# Altium PCB BACKPMAN3Rev1.0.PcbDoc (part 3 of 4) (continued)
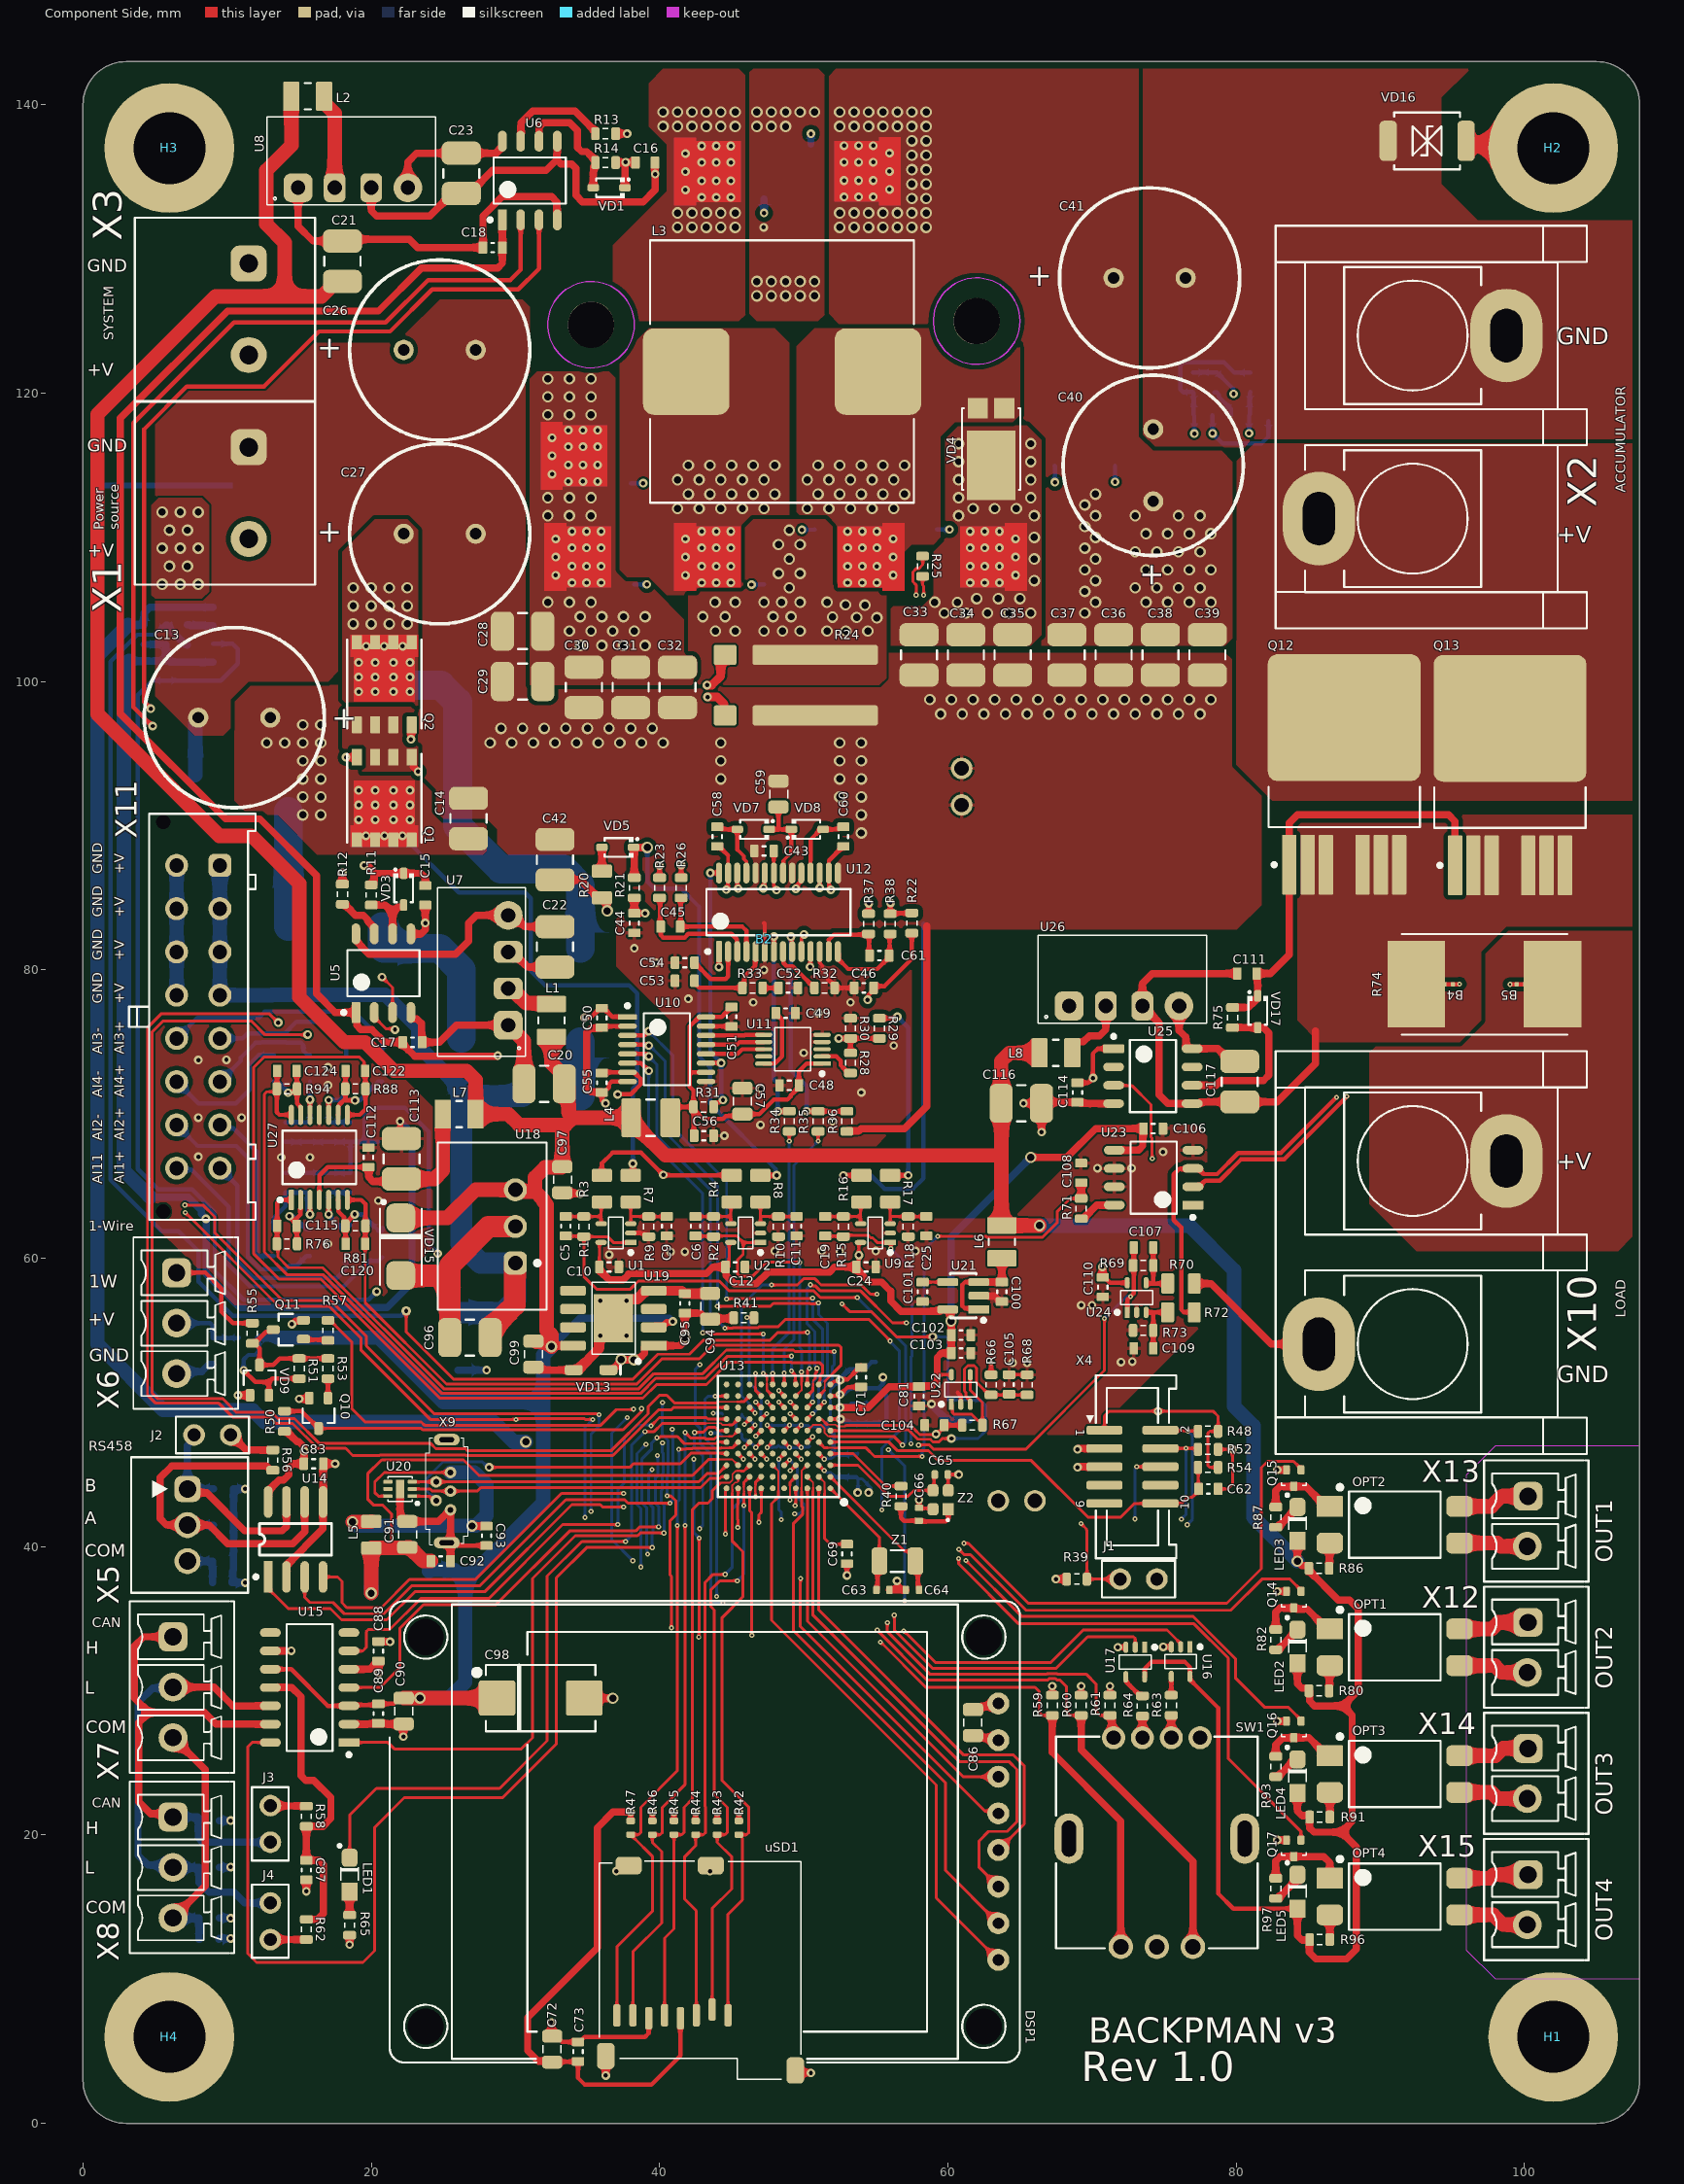
[diagram p0: Component Side view]
## Nets (pads, with @x,y where several pads share a name; then routed paths per layer and width w, separated by ;. In a path a pad name is that pad's centre, name@x,y a point inside that pad or via, vN(x,y) a via of type N, cw(c..) or ccw(c..) an arc to the next point about the centre after c; other vN are vias at no path point) (continued)
LDI+: B4.2 U23.2 | length 29.1
  Component Side w0.3: U23.2@77,64.96 77.425,64.96 77.851,65.386 78.865,65.386 80.332,66.853 83.287,66.853 83.312,66.878 83.347,66.878 87.681,71.212 v3(87.681,71.222) ; B4.2@95.05,79 95.479,79 v3(95.5,79.02)
  Layer 2 w0.3: v3(87.681,71.222) 92.837,71.222 94.942,73.327 97.028,75.413 97.028,77.492 v3(95.5,79.02)
LDI-: B5.2 R72.1 U23.3 | length 41.8
  Component Side w0.3: R72.1@77.1,56.25 77.089,56.261 76.378,56.261 76.188,56.451 76.188,62.141 75.667,62.662 75.667,65.811 76.048,66.192 76.962,66.192 U23.3@77,66.23 77.357,66.23 77.751,65.836 78.679,65.836 80.146,67.303 83.101,67.303 v3(86.969,71.171) ; v3(99,78.994) 99.006,79 B5.2@99.45,79
  Layer 2 w0.3: v3(86.969,71.171) 86.982,71.171 87.432,70.722 92.973,70.722 93.194,70.942 97.478,75.226 97.478,77.472 v3(99,78.994)
LED_GR: U13.A8 U16.2 | length 42.6
  Component Side w0.2: U13.A8@46.25,44.05 46.25,42.491 46.4,42.341 v3(46.4,33.85) ; v3(56.947,34.163) 59.131,31.979 67.158,31.979 69.393,34.214 75.211,34.214 76.15,33.275 U16.2@76.15,33.05
  Layer 2 w0.2: v3(46.4,33.85) 46.438,33.812 46.58,33.812 46.591,33.8 56.584,33.8 v3(56.947,34.163)
LED_RD: U13.J7 U17.2 | length 56.3
  Component Side w0.125: 46.634,51.06 46.634,51.081 46.659,51.107 v3(46.659,52.025)
  Component Side w0.2: 46.634,51.06 46.65,51.044 46.65,50.85 U13.J7@47.05,50.45 ; v3(56.286,35.255) 56.286,34.214 58.928,31.572 67.522,31.572 69.7,33.75 72.883,33.75 73,33.633 U17.2@73,33.025
  Layer 2 w0.2: v3(42.803,52.622) 43.371,52.054 46.631,52.054 v3(46.659,52.025) ; v3(44.399,36.093) 55.448,36.093 v3(56.286,35.255)
  Bottom Layer w0.2: v3(42.803,52.622) 42.494,52.314 42.494,48.531 42.825,48.2 42.825,47.142 43.567,46.399 43.567,36.317 43.82,36.065 44.371,36.065 v3(44.399,36.093)
LEDCAN0: LED1.2 U13.G9 | length 51.7
  Component Side w0.125: 43.192,48.55 43.245,48.55 43.256,48.561 44.247,48.561 44.358,48.45 44.856,48.45
  Component Side w0.2: LED1.2@18.5,18.425 18.5,21.387 20.354,23.241 28.905,23.241 32.207,26.543 32.207,37.957 34.611,40.361 v3(37.643,40.361) ; v3(38.989,47.983) 39.628,47.983 40.195,48.55 43.192,48.55 ; 44.856,48.45 45.05,48.45 U13.G9@45.45,48.85
  Bottom Layer w0.2: v3(37.643,40.361) 38.064,40.782 38.064,47.05 38.989,47.974 v3(38.989,47.983)
LOAD_I: C108.2 R71.2 U13.E2 | length 36
  Component Side w0.125: 51.66,46.866 51.681,46.866 51.697,46.85 52.375,46.85
  Component Side w0.2: U13.E2@51.05,47.25 51.45,46.85 51.644,46.85 51.66,46.866 ; 52.375,46.85 54.325,46.85 54.917,46.258 v3(58.218,46.258) ; v3(59.303,61.525) 62.651,61.525 62.706,61.47 66.581,61.47 67.578,62.467 67.578,63.228 68.5,64.15 R71.2@69.25,64.15
  Component Side w0.5: R71.2@69.25,64.15 C108.2@69.25,65.25
  Bottom Layer w0.2: v3(58.218,46.258) 58.218,46.733 58.369,46.884 58.369,48.485 58.344,48.51 58.344,60.566 v3(59.303,61.525)
LOAD_V: C107.1 R69.2 U13.H4 U24.1 | length 37.3
  Component Side w0.2: v3(49.075,50.025) U13.H4@49.45,49.65 ; v3(57.969,47.05) 58.731,47.05 59.031,46.75 65.394,46.75 70.866,52.222 v3(70.866,55.829)
  Component Side w0.3: U24.1@72.45,56.25 72.45,57.125 v3(72.675,57.35) 72.9,57.575 C107.1@72.9,60.75
  Layer 2 w0.2: v3(49.075,50.025) 50.434,48.666 51.257,48.666 51.664,48.26 53.76,48.26 54.25,48.75 56.66,48.75 57.931,47.479 57.931,47.088 v3(57.969,47.05)
  Bottom Layer w0.2: v3(70.866,55.829) 72.387,57.35 v3(72.675,57.35)
LSW_F: U13.H8 U25.3 | length 49.6
  Component Side w0.2: U13.H8@46.25,49.65 v3(46.625,49.275) ; v3(47.777,58.15) 49.565,58.15 49.99,58.575 50.785,58.575 51.21,58.15 53.993,58.15 54.638,57.506 v3(55.093,57.506) ; U25.3@71.5,72 71.512,71.987 72.763,71.987 74.1,70.65 74.1,68.395 74.175,68.32 v3(74.175,66.925)
  Layer 2 w0.2: v3(55.093,57.506) 55.528,57.941 55.528,58.353 55.925,58.75 66.775,58.75 74.175,66.15 v3(74.175,66.925)
  Bottom Layer w0.2: v3(46.625,49.275) 46.606,49.294 46.606,49.528 45.675,50.459 45.675,56.7 47.125,58.15 v3(47.777,58.15)
NetC5_2: C5.2 R1.1 R3.2 U1.4 | length 4
  Component Side w0.2: C5.2@33.5,62.9 R1.1@34.75,62.9 35.95,62.9 ; U1.4@35.95,62.4 35.95,62.9 ; R3.2@36,63.9 35.95,63.85 35.95,62.9
NetC6_2: C6.2 R2.1 R4.2 U2.4 | length 4
  Component Side w0.2: C6.2@42.5,62.9 R2.1@43.75,62.9 44.95,62.9 ; U2.4@44.95,62.4 44.95,62.9 ; R4.2@45,63.9 44.95,63.85 44.95,62.9
NetC9_1: C9.1 R7.2 R9.2 U1.3 | length 4
  Component Side w0.2: U1.3@38,62.4 38,62.85 ; R7.2@38,63.9 38,62.85 ; C9.1@40.5,62.9 R9.2@39.25,62.9 38.05,62.9 38,62.85
NetC11_1: C11.1 R8.2 R10.2 U2.3 | length 4
  Component Side w0.2: U2.3@47,62.4 47,62.85 ; R8.2@47,63.9 47,62.85 ; C11.1@49.5,62.9 R10.2@48.25,62.9 47.05,62.9 47,62.85
NetC15_1: C15.1 Q1.1 R11.2 VD3.1 | length 15.4
  Component Side w0.5: v2(18.25,94.75) Q1.1@19,94.75 ; v2(19.5,87.25) 19.743,87.25 20.293,86.7 ; R11.2@20,85.9 20.15,85.9 20.2,85.95 20.2,86.607 20.293,86.7 ; C15.1@23.75,85.85 23.75,86.407 23.457,86.7 VD3.1@22.25,86.7 20.293,86.7
  Layer 2 w0.5: v2(18.25,94.75) 18.25,87.75 18.731,87.269 19.481,87.269 v2(19.5,87.25)
NetC16_1: C16.1 Q4.1 R14.2 VD1.1 | length 30.4
  Component Side w0.5: R14.2@36.95,136 36.963,136.012 37.637,136.012 v2(37.65,136.025) ; VD1.1@37.6,134.25 37.6,135.948 37.65,135.998 v2(37.65,136.025) ; C16.1@38.325,136 38.313,136.013 37.662,136.013 v2(37.65,136.025)
  Layer 2 w0.5: v2(37.65,136.025) 37.65,130.6 39.5,128.75 47.5,128.75 50.5,131.75 v2(50.5,138)
  Bottom Layer w0.5: Q4.1@50.5,137.29 v2(50.5,138)
NetC19_2: C19.2 R15.1 R16.2 U9.4 | length 4
  Component Side w0.2: C19.2@51.5,62.9 53.95,62.9 ; U9.4@53.95,62.4 53.95,62.9 ; R16.2@54,63.9 53.95,63.85 53.95,62.9
NetC22_2: C22.2 U5.8 U7.4 | length 16.8
  Component Side w0.5: U5.8@18.94,82.5 18.94,82.048 18.99,81.998 18.99,81.96 19.848,81.102 25.852,81.102 26.75,82 26.75,83.25 27.29,83.79 U7.4@29.5,83.79 29.86,83.79 30.65,83 C22.2@32.75,83
NetC23_2: C23.2 U6.8 U8.4 | length 9.2
  Component Side w0.5: U8.4@22.54,134.25 22.54,136.04 23.15,136.65 C23.2@26.25,136.65 28.668,136.65 29.095,137.077 U6.8@29.095,137.475
NetC25_1: C25.1 R17.2 R18.2 U9.3 | length 4
  Component Side w0.2: U9.3@56,62.4 56,62.85 ; R17.2@56,63.9 56,62.85 ; C25.1@58.5,62.9 R18.2@57.25,62.9 56.05,62.9 56,62.85
NetC49_2: C49.2 U11.10 | length 4.7
  Component Side w0.3: U11.10@47.225,73.5 48,73.5 48.5,74 48.5,76.549 48.324,76.725 48.225,76.725 48.075,76.875 C49.2@48.075,77
NetC52_2: C52.2 R33.2 | length 1.1
  Component Side w0.3: R33.2@47.15,78.75 C52.2@48.25,78.75
NetC53_2: C53.2 R33.1 U12.5 | length 6.5
  Component Side w0.3: C53.2@42.425,79.25 42.575,79.1 42.575,78.926 42.751,78.75 R33.1@45.75,78.75 45.9,78.9 45.9,79.55 46.64,80.29 46.64,81.252 U12.5@46.663,81.275
NetC54_2: C54.2 U12.2 | length 4.7
  Component Side w0.3: C54.2@42.425,80.5 42.425,80.375 42.575,80.225 42.7,80.225 43.55,79.375 44.582,79.375 44.758,79.551 U12.2@44.758,81.275
NetC58_1: C58.1 U12.25 VD7.2 | length 4.8
  Component Side w0.25: 45.4,88.35 45.85,87.9 45.85,87.693 46.028,87.515 U12.25@46.028,86.725
  Component Side w0.3: C58.1@44,89.925 44.125,89.925 44.3,89.75 VD7.2@45.4,89.75 45.4,88.35
NetC60_1: C60.1 U12.18 VD8.2 | length 4.9
  Component Side w0.25: U12.18@50.473,86.725 50.473,87.607
  Component Side w0.3: 50.473,87.607 50.473,89.022 51.2,89.75 VD8.2@51.35,89.75 52.45,89.75 52.625,89.925 C60.1@52.75,89.925
NetC61_1: C61.1 R38.1 U12.14 | length 6.2
  Component Side w0.3: U12.14@52.426,81.121 52.426,80.73 53.095,80.061 55.111,80.061 55.925,80.875 C61.1@55.925,81 55.962,81.037 55.962,82.462 R38.1@56,82.5
NetC61_2: C61.2 R37.1 U12.13 | length 5.3
  Component Side w0.25: U12.13@51.743,81.275 51.743,82.055
  Component Side w0.3: 51.743,82.055 51.743,82.088 52.104,82.45 54.45,82.45 R37.1@54.5,82.5 54.537,82.463 54.537,81.037 C61.2@54.575,81
NetC63_1: C63.1 U13.A1 Z1.2 | length 8.5
  Component Side w0.2: U13.A1@51.85,44.05 55.25,40.65 Z1.2@55.25,39
  Component Side w0.3: C63.1@55.048,37 55.123,37.075 55.123,38.873 Z1.2@55.25,39
NetC64_1: C64.1 U13.B1 Z1.1 | length 10.6
  Component Side w0.2: U13.B1@51.85,44.85 57.012,39.688 57.36,39.688 Z1.1@57.75,39.297
  Component Side w0.3: Z1.1@57.75,39.297 Z1.1@57.75,39 57.925,38.825 57.925,37.075 C64.1@58,37
NetC66_1: C66.1 R40.1 Z2.1 | length 5
  Component Side w0.3: R40.1@56.75,42.8 56.75,42 56.952,41.798 C66.1@58,41.798 58.048,41.75 59.849,41.75 60.025,41.926 Z2.1@60.025,42.6 Z2.1@59.95,42.525
NetC67_1: C67.1 C68.1 U13.E7 U13.F8 | length 5.5
  Component Side w0.2: U13.F8@46.25,48.05 v3(46.625,48.425) ; v3(46.675,46.875) U13.E7@47.05,47.25
  Bottom Layer w0.2: C67.1@45.725,49.2 C67.1@45.725,49.075 ; v3(46.625,48.425) 46.175,48.875 45.925,48.875 C67.1@45.725,49.075 ; v3(46.675,46.875) 46.2,47.35 45.9,47.35 45.7,47.55 45.7,47.8 45.3,48.2 45.3,48.65 C67.1@45.725,49.075
NetC84_1: C84.1 E3.2 X5.3 | length 3.2
  Bottom Layer w0.5: X5.3@7.25,39 E3.2@9,39 C84.1@9,37.5
NetC85_1: C85.1 E6.2 X7.3 X8.3 | length 17.7
  Component Side w0.5: X8.3@6.25,14.25 8.475,16.475 8.475,24.525 X7.3@6.25,26.75
  Bottom Layer w0.5: X8.3@6.25,14.25 E6.2@8.05,14.25 8.063,14.237 8.063,12.762 C85.1@8.075,12.75
NetC87_2: C87.2 R58.2 R62.1 U15.11 | length 22.3
  Component Side w0.5: U15.11@13,30.23 14.495,30.23 15.125,29.6 15.125,24.125 15.45,23.8 16,23.8 17.2,22.6 17.2,21.15 16.65,20.6 R58.2@15.5,20.6 C87.2@15.5,18.25 16.382,18.25 16.675,17.957 16.675,14.542 16.283,14.15 R62.1@15.5,14.15
NetC93_1: C93.1 L5.1 U20.6 X9.1 | length 24.3
  Component Side w0.2: U20.6@21.15,43.5 20.5,43.5 20.25,43.75 20.25,44.5 20.9,45.15 X9.1@25.499,45.15
  Component Side w0.5: v1@27,41.425 C93.1@28,41.425
  Component Side w1: v1(18.7,41.725) 19.975,41.725 L5.1@20,41.75
  Bottom Layer w1: v1(18.7,41.725) 18.975,41.45 27.275,41.45 28,42.175 28,44.3 27.15,45.15 X9.1@25.499,45.15
  other v1: 26.989,41.435
NetC100_2: C100.2 L6.2 U21.1 U21.3 | length 7.2
  Component Side w0.3: U21.1@62.15,56.45 62.077,56.523 61.187,56.523 61.011,56.699 61.011,58.174 61.187,58.35 U21.3@62.15,58.35
  Component Side w0.5: U21.3@62.15,58.35 C100.2@63.75,58.35 ; L6.2@63.75,60 C100.2@63.75,58.35 ; C100.2@63.796,58.304 C100.2@63.75,58.35
NetC101_1: C101.1 U21.4 | length 1.7
  Component Side w0.2: C101.1@58.25,58.35 U21.4@60,58.35
NetC105_1: C105.1 R66.1 R68.2 U22.3 | length 8.5
  Component Side w0.2: U22.3@61.55,49.875 61.55,50.141 61.265,50.425 61.265,50.675 61.15,50.79 61.15,52.316 61.384,52.55 61.825,52.55 62,52.375 62,51.4 62.875,50.525 R66.1@63,50.525 64.25,50.525 R68.2@65.5,50.525
NetC107_2: C107.2 R69.1 R70.2 U24.4 | length 4
  Component Side w0.3: U24.4@73.75,58.3 73.75,58.273 73.773,58.25 74.219,58.25 ; C107.2@74.25,60.75 R69.1@74.25,59.5 74.25,58.281 74.219,58.25 ; R70.2@75.25,58.25 74.219,58.25
NetC109_1: C109.1 R72.2 R73.2 U24.3 | length 4
  Component Side w0.3: U24.3@73.75,56.25 74.219,56.25 ; C109.1@74.25,53.75 R73.2@74.25,55 74.25,56.219 74.219,56.25 ; R72.2@75.25,56.25 74.219,56.25
NetC111_1: C111.1 Q12.1 Q13.1 R75.2 VD17.1 | length 30.7
  Component Side w0.5: R75.2@79.75,77.4 80.85,77.4 81.5,78.05 VD17.1@81.5,78.2 81.5,79.55 81.425,79.625 C111.1@81.425,79.75 82.382,79.75 83.69,81.058 Q12.1@83.69,87.3 83.69,90.19 84.25,90.75 94.75,90.75 95.19,90.31 Q13.1@95.19,87.25
NetC112_1: C112.1 C113.1 L7.2 U27.4 | length 15.5
  Component Side w0.3: U27.4@16.4,64.05 16.4,65.75 16.975,66.325 C113.1@19.8,66.325
  Component Side w0.5: C113.1@19.8,66.325 19.834,66.29 19.834,65.618 20.127,65.325 21.925,65.325 C112.1@22.1,65.5
  Component Side w1: C112.1@22.1,65.5 24.379,65.5 24.965,66.086 L7.2@24.965,70
NetC115_2: C115.2 R76.1 R77.2 U27.2 | length 5.7
  Component Side w0.3: v2(14.325,62.925) 14.325,62.875 14.688,62.513 C115.2@14.825,62.513 ; R76.1@14.85,61 14.838,61.012 14.838,62.238 C115.2@14.825,62.25 C115.2@14.825,62.513 ; U27.2@15.1,64.05 15.09,64.04 15.09,63.04 14.825,62.775 C115.2@14.825,62.513
  Bottom Layer w0.3: v2(14.325,62.925) 14.575,62.925 15.5,62 R77.2@15.75,62
NetC117_2: C117.2 U25.8 U26.4 | length 7.2
  Component Side w0.5: U26.4@76.04,77.5 76.04,75.811 76.506,75.346 76.506,74.586 76.552,74.54 U25.8@76.95,74.54 78.729,74.54 79.619,73.65 C117.2@80.25,73.65
NetC118_1: C118.1 R78.2 R79.2 U27.3 | length 7
  Component Side w0.3: v2(15.75,63.05) U27.3@15.75,64.05
  Bottom Layer w0.3: R78.2@13.25,62 13.25,62.813 14.05,63.613 C118.1@14.05,64.575 14.063,64.563 15.537,64.563 R79.2@15.55,64.55 15.55,63.331 15.75,63.131 v2(15.75,63.05)
NetC120_2: C120.2 R81.1 R83.2 U27.6 | length 6.7
  Component Side w0.3: U27.6@17.7,64.05 17.71,64.04 17.71,63.265 18.113,62.862 18.113,62.487 R81.1@18.2,62.4 ; C120.2@18.225,61 18.212,61.012 18.212,62.238 R81.1@18.2,62.25 R81.1@18.2,62.4 ; v2(18.85,63.05) R81.1@18.2,62.4
  Bottom Layer w0.3: v2(18.85,63.05) 19.375,63.05 20.5,61.925 R83.2@20.75,61.925 20.8,61.975 R83.2@20.8,62.1
NetC121_1: C121.1 R84.2 R85.2 U27.5 | length 6.2
  Component Side w0.3: v2(17.05,63.05) U27.5@17.05,64.05
  Bottom Layer w0.3: v2(17.05,63.05) v2@17.05,63.1 ; R84.2@18.55,62.3 R84.2@18.25,62 18,62 17.107,62.893 17.107,63.043 v2@17.05,63.1 ; C121.1@18.55,64.575 18.538,64.563 17.063,64.563 R85.2@17.05,64.55 v2@17.05,63.1
NetC122_2: C122.2 R88.1 R89.2 U27.9 | length 6.3
  Component Side w0.3: U27.9@17.7,69.95 17.71,69.96 17.71,70.585 18.075,70.95 v2(18.875,70.95) ; 18.2,71.075 R88.1@18.2,71.75 18.212,71.762 18.212,72.987 C122.2@18.225,73
  Bottom Layer w0.3: v2(18.875,70.95) 19.2,70.95 20.5,72.25 R89.2@20.75,72.25
NetC123_1: C123.1 R90.2 R92.2 U27.10 | length 6.3
  Component Side w0.3: U27.10@17.05,69.95 v2(17.05,70.975)
  Bottom Layer w0.3: R90.2@18.25,72.25 18.25,71.42 17.805,70.975 v2(17.05,70.975) R92.2@17.05,69.45 17.063,69.437 18.537,69.437 C123.1@18.55,69.425
NetC124_2: C124.2 R94.1 R95.2 U27.13 | length 5.2
  Component Side w0.3: v2(14.235,71.485) 14.316,71.485 14.38,71.549 14.7,71.549 R94.1@14.85,71.699 ; C124.2@14.825,73 14.838,72.988 14.838,71.762 R94.1@14.85,71.75 R94.1@14.85,71.699 ; U27.13@15.1,69.95 15.1,70.489 14.85,70.739 R94.1@14.85,71.699
  Bottom Layer w0.3: R95.2@13.25,72.25 13.5,72.25 14.235,71.515 v2(14.235,71.485)
NetC125_1: C125.1 R98.2 R99.2 U27.12 | length 5.5
  Component Side w0.3: U27.12@15.75,69.95 v2(15.75,71)
  Bottom Layer w0.3: C125.1@14.05,69.425 14.062,69.437 15.537,69.437 R99.2@15.55,69.45 15.6,69.45 15.75,69.6 v2(15.75,71) R98.2@15.75,72.25
NetF1_2: F1.2 VD11.2 | length 3.8
  Bottom Layer w2: VD11.2@34.5,71.25 F1.2@34.5,75
NetF2_2: F2.2 VD12.2 | length 12.3
  Bottom Layer w2: F2.2@20.75,83 20.75,81.6 20.85,81.5 24.75,81.5 26.25,80 VD12.2@26.25,75.25
NetJ1_1: J1.1 R39.2 U13.D5 | length 32.1
  Component Side w0.2: v3(48.275,46.075) U13.D5@48.65,46.45 ; v3(69.25,41.598) 69.62,41.229 69.62,41.155 69.65,41.125 R39.2@69.65,37.75 J1.1@71.96,37.75
  Layer 2 w0.2: v3(48.445,41.87) 48.47,41.845 49.554,41.845 49.629,41.92 68.928,41.92 v3(69.25,41.598)
  Bottom Layer w0.2: v3(48.275,46.075) 48.275,42.564 48.445,42.394 v3(48.445,41.87)
NetJ2_2: J2.2 R56.1 | length 3.4
  Component Side w0.5: J2.2@10.25,47.75 10.271,47.75 11.321,46.7 R56.1@13.175,46.7
NetJ3_1: J3.1 R58.1 | length 2.5
  Component Side w0.5: J3.1@13,22.04 13.02,22.02 15.48,22.02 R58.1@15.5,22
NetJ4_2: J4.2 R62.2 | length 2.5
  Component Side w0.5: J4.2@13,12.75 R62.2@15.5,12.75
NetL1_2: L1.2 U7.2 | length 3.4
  Component Side w1: U7.2@29.5,78.71 29.75,78.71 30.76,77.7 32.435,77.7 L1.2@32.5,77.635
NetL2_2: L2.2 U8.2 | length 6.6
  Component Side w1: L2.2@16.731,140.589 16.731,140.144 17.46,139.415 U8.2@17.46,134.25
NetL8_2: L8.2 U26.2 | length 4.9
  Component Side w0.5: L8.2@68.635,74.25 68.635,74.695 68.95,75.01 69.395,75.01 69.82,75.435 70.525,75.435 70.96,75.87 U26.2@70.96,77.5
NetLED1_1: LED1.1 R65.1 | length 1.6
  Component Side w0.5: R65.1@18.5,14.45 LED1.1@18.5,16.075
NetLED2_2: LED2.2 R82.2 | length 2.1
  Component Side w0.5: R82.2@82.75,32.85 82.9,32.85 83.94,33.89 83.952,33.89 84.25,34.189 LED2.2@84.25,34.25
NetLED3_2: LED3.2 R87.2 | length 2.1
  Component Side w0.5: R87.2@82.75,41.35 82.9,41.35 83.94,42.39 83.952,42.39 84.25,42.689 LED3.2@84.25,42.75
NetLED4_2: LED4.2 R93.2 | length 2
  Component Side w0.5: R93.2@82.75,24.05 82.9,24.05 83.74,24.89 83.952,24.89 84.25,25.189 LED4.2@84.25,25.25
NetLED5_2: LED5.2 R97.2 | length 2.4
  Component Side w0.5: R97.2@82.75,15.6 82.9,15.6 83.965,16.665 83.965,16.965 LED5.2@84.25,17.25
NetOPT1_1: OPT1.1 Q14.3 R82.1 | length 5.7
  Component Side w0.5: R82.1@82.75,34.25 82.75,35.457 83.043,35.75 Q14.3@84,35.75 ; Q14.3@84,35.67 84.92,35.67 86.3,34.29 OPT1.1@86.5,34.29
NetOPT1_2: OPT1.2 R80.1 | length 1.8
  Component Side w0.5: R80.1@86.45,30 86.475,30.025 86.475,31.725 OPT1.2@86.5,31.75
NetOPT1_3: OPT1.3 X12.2 | length 4.9
  Component Side w1: OPT1.3@95.5,31.75 97.95,31.75 98.425,31.275 X12.2@100.199,31.275
NetOPT1_4: OPT1.4 X12.1 | length 4.9
  Component Side w1: OPT1.4@95.5,34.29 97.74,34.29 98.2,34.75 X12.1@100.25,34.75
NetOPT2_1: OPT2.1 Q15.3 R87.1 | length 5.6
  Component Side w0.5: R87.1@82.75,42.75 82.75,43.882 83.043,44.175 84.825,44.175 85.735,43.265 86.025,43.265 OPT2.1@86.5,42.79
NetOPT2_2: OPT2.2 R86.1 | length 1.8
  Component Side w0.5: R86.1@86.45,38.5 86.475,38.525 86.475,40.225 OPT2.2@86.5,40.25
NetOPT2_3: OPT2.3 X13.2 | length 4.8
  Component Side w1: OPT2.3@95.5,40.25 98.125,40.25 98.35,40.025 X13.2@100.199,40.025
NetOPT2_4: OPT2.4 X13.1 | length 5
  Component Side w1: OPT2.4@95.5,42.79 97.715,42.79 98.423,43.498 100.248,43.498 X13.1@100.25,43.5
NetOPT3_1: OPT3.1 Q16.3 R93.1 | length 5.3
  Component Side w0.5: R93.1@82.75,25.45 82.75,26.25 83.25,26.75 85.05,26.75 86.3,25.5 OPT3.1@86.5,25.5
NetOPT3_2: OPT3.2 R91.1 | length 1.7
  Component Side w0.5: R91.1@86.5,21.25 OPT3.2@86.5,22.96
NetOPT3_3: OPT3.3 X14.2 | length 4.9
  Component Side w1: OPT3.3@95.5,22.96 97.715,22.96 98.15,22.525 X14.2@100.199,22.525
NetOPT3_4: OPT3.4 X14.1 | length 5
  Component Side w1: OPT3.4@95.5,25.5 98,25.5 98.525,26.025 100.225,26.025 X14.1@100.25,26
NetOPT4_1: OPT4.1 Q17.3 R97.1 | length 6.3
  Component Side w0.5: R97.1@82.75,17 82.75,18.2 83.05,18.5 Q17.3@84,18.5 86.082,18.5 86.5,18.082 OPT4.1@86.5,17
NetOPT4_2: OPT4.2 R96.1 | length 1.7
  Component Side w0.5: R96.1@86.5,12.75 OPT4.2@86.5,14.46
NetOPT4_3: OPT4.3 X15.2 | length 5
  Component Side w1: OPT4.3@95.5,14.46 97.84,14.46 98.525,13.775 X15.2@100.199,13.775
NetOPT4_4: OPT4.4 X15.1 | length 4.9
  Component Side w1: OPT4.4@95.5,17 97.6,17 97.85,17.25 X15.1@100.25,17.25
NetQ2_1: Q2.1 R12.2 | length 15.9
  Component Side w0.5: R12.2@18,85.95 v2(18,86.75) ; v2(22.75,96) 22.75,96.94 Q2.1@22.81,97
  Layer 2 w0.5: v2(18,86.75) 17.5,87.25 17.5,95 18.5,96 v2(22.75,96)
NetQ3_1: Q3.1 R13.2 | length 21.6
  Component Side w0.5: R13.2@36.95,138 v2(37.75,138)
  Layer 2 w0.5: v2(37.75,138) 38.811,136.939 38.811,130.939 40.108,129.642 46.779,129.642 48.075,130.938 48.075,131.852 47.577,132.35 47.427,132.35 47.277,132.5 v2(47.25,132.5)
  Bottom Layer w0.5: v2(47.25,132.5) Q3.1@47.25,133.46
NetQ8_2: Q8.2 Q9.2 R24.1
  other v1: 43.875,103.5 45.25,103.5 47.25,103.5 48.525,103.5 49.75,103.5 51.625,103.5 52.925,103.5 54.45,103.5 53.675,104.45 55.075,104.425 52,104.475 43,104.5 44.55,104.5 47.875,104.5 49.125,104.5 54.25,105.3 52.9,105.325 43.85,105.5 45.25,105.5 47.25,105.5 48.475,105.5 49.75,105.5 51.625,105.5 49,106.5 48.25,107.5 49.75,107.5 49,108.5 48.25,109.5 49.75,109.5 49,110.5
NetQ10_1: Q10.1 R53.1 | length 1.3
  Component Side w0.3: Q10.1@17,50.3 R53.1@17,51.65
NetQ11_1: Q11.1 R57.2 | length 1.7
  Component Side w0.3: Q11.1@15.3,54.4 15.35,54.35 16.95,54.35 R57.2@17,54.3
NetQ11_3: Q11.3 R51.2 R53.2 R55.2 VD9.3 | length 8.4
  Component Side w0.3: R55.2@11.75,54.1 R55.2@11.9,54.1 ; Q11.3@13.2,55.05 13.05,54.9 12.7,54.9 R55.2@11.9,54.1 ; R53.2@17,53.05 R51.2@15,53.05 13.65,53.05 13.2,52.6 VD9.3@12.25,52.6 12.25,53.75 R55.2@11.9,54.1
NetR5_2: R5.2 U4.7 | length 2.1
  Bottom Layer w0.3: R5.2@78.5,120.05 78.65,120.05 78.8,119.9 78.8,119.735 79.635,118.9 U4.7@79.635,118.475
NetR6_2: R6.2 U3.7 | length 1.8
  Bottom Layer w0.5: R6.2@7.25,103.95 7.4,103.95 7.465,103.885 U3.7@9.025,103.885
NetR11_1: R11.1 U5.6 VD3.2 | length 4.2
  Component Side w0.5: R11.1@20,84.5 20.96,84.5 21.48,83.98 ; U5.6@21.48,82.5 21.48,83.98 ; VD3.2@22.25,84.5 22.25,84.35 21.85,84.35 21.48,83.98
NetR12_1: R12.1 U5.7 | length 3.4
  Component Side w0.5: R12.1@18,84.55 18.15,84.55 18.907,83.793 19.457,83.793 19.749,83.501 19.749,83.413 20.21,82.952 U5.7@20.21,82.5
NetR13_1: R13.1 U6.7 | length 7.5
  Component Side w0.5: U6.7@30.365,137.475 30.384,137.494 30.384,138.759 31.2,139.575 34.125,139.575 35.55,138.15 R13.1@35.55,138
NetR14_1: R14.1 U6.6 VD1.2 | length 8.7
  Component Side w0.5: U6.6@31.635,137.475 31.654,137.494 31.654,138.454 31.95,138.75 33.775,138.75 34.3,138.225 34.3,137.05 34.593,136.757 34.943,136.757 35.55,136.15 R14.1@35.55,136 35.55,135.85 35.4,135.7 VD1.2@35.4,134.25
NetR20_2: R20.2 VD5.2 | length 1.7
  Component Side w0.5: R20.2@36,86.85 VD5.2@36,88.5
NetR23_1: R23.1 R24.3 | length 18.1
  Component Side w0.3: R23.1@40,86.4 v2(40,87.25)
  Component Side w0.6: v2(43.3,99.75) 43.625,99.75 44.25,100.375 44.25,101.55 R24.3@44.55,101.85
  Layer 2 w0.3: v2(40,87.25) 40.662,87.25 41.262,87.85 41.449,87.85 42.9,89.301 42.9,98.537 42.75,98.687 42.75,99.2 v2(43.3,99.75)
NetR24_4: R24.4 R26.1 | length 15.5
  Component Side w0.3: R26.1@41.5,86.4 v2(41.5,87.275)
  Component Side w0.6: v2(43.325,98.925) 44,98.925 44.475,98.45 44.475,97.725 R24.4@44.55,97.65
  Layer 2 w0.3: v2(41.5,87.275) 41.5,87.3 43.325,89.125 v2(43.325,98.925)
NetR28_1: R28.1 U11.2 | length 2.6
  Component Side w0.3: U11.2@51.275,74 52.275,74 52.562,73.713 52.562,73.388 53.1,72.85 R28.1@53.25,72.85
NetR32_2: R32.2 U12.8 | length 3.8
  Component Side w0.3: U12.8@48.568,81.275 48.59,81.252 48.59,80.485 48.825,80.25 49.25,80.25 50.45,79.05 50.6,79.05 50.75,78.9 R32.2@50.75,78.75
NetR34_1: R34.1 U12.7 | length 14.1
  Component Side w0.3: U12.7@47.933,81.275 v2@47.933,82.317 ; v2(48.2,70.175) 48.213,70.188 48.988,70.188 R34.1@49,70.2
  Bottom Layer w0.3: v2(47.929,82.321) 47.929,72.416 48.2,72.145 v2(48.2,70.175)
NetR35_1: R35.1 R36.2 U12.9 | length 16.4
  Component Side w0.25: v2(49.113,82.312) 49.17,82.255 49.17,81.308 U12.9@49.203,81.275
  Component Side w0.3: v2(50.2,70.2) R35.1@51,70.2 R36.2@53,70.2
  Bottom Layer w0.3: v2(49.113,82.312) 49.113,73.035 50.2,71.949 v2(50.2,70.2)
NetR41_2: R41.2 U13.F7 | length 9.8
  Component Side w0.2: v3(46.075,55.9) 46.525,55.9 R41.2@46.55,55.875 ; v3(46.675,47.675) U13.F7@47.05,48.05
  Bottom Layer w0.2: v3(46.075,55.9) 46.075,55.859 46.215,55.719 46.215,51.385 47.075,50.525 47.075,49.859 47.025,49.809 47.025,48.025 v3(46.675,47.675)
NetR63_1: R63.1 U16.4 | length 1.3
  Component Side w0.3: R63.1@75.5,29.7 U16.4@75.5,31
NetR63_2: R63.2 SW1.2 | length 1.5
  Component Side w0.5: SW1.2@75.5,26.75 R63.2@75.5,28.3
NetR64_1: R64.1 U17.4 | length 1.9
  Component Side w0.3: U17.4@72.35,30.975 72.36,30.965 72.36,30.64 73.35,29.65 R64.1@73.5,29.65
NetR64_2: R64.2 SW1.3 | length 1.5
  Component Side w0.5: SW1.3@73.5,26.75 R64.2@73.5,28.25
NetR67_2: R67.2 U22.1 U22.4 | length 6.8
  Component Side w0.2: U22.1@60.25,49.875 60.325,49.8 60.325,49.292 60.442,49.175 61.65,49.175 62.081,48.744 62.204,48.744 R67.2@62.4,48.548 ; U22.4@61.55,51.925 61.55,50.85 62.4,50 R67.2@62.4,48.548 ; R67.2@62.4,48.425 R67.2@62.4,48.548
NetR71_1: R71.1 U23.8 | length 2.7
  Component Side w0.5: R71.1@69.25,62.75 69.3,62.8 69.45,62.8 70.34,63.69 U23.8@71.55,63.69
NetR75_1: R75.1 U25.6 VD17.2 | length 11.2
  Component Side w0.5: U25.6@76.95,72 78.597,72 78.936,72.339 81.915,72.339 82.271,72.695 82.271,75.616 81.886,76 VD17.2@81.5,76 R75.1@79.75,76
NetU10_12: U10.12 U11.8 | length 4.1
  Component Side w0.3: U10.12@43.225,74.18 45.405,74.18 45.725,74.5 U11.8@47.225,74.5
NetU10_13: U10.13 U11.7 | length 4.1
  Component Side w0.3: U10.13@43.225,74.82 45.37,74.82 45.55,75 U11.7@47.225,75
NetU10_14: U10.14 U11.6 | length 4
  Component Side w0.3: U10.14@43.225,75.46 45.885,75.46 45.925,75.5 U11.6@47.225,75.5
OLED_CLK: DSP1.3 U13.A3 | length 26.9
  Component Side w0.2: U13.A3@50.25,44.05 50.25,42.866 50.266,42.85 50.266,34.834 61.06,24.04 DSP1.3@63.5,24.04
OLED_CS: DSP1.7 U13.C3 | length 38.1
  Component Side w0.125: 49.85,43.825 49.85,45.25 U13.C3@50.25,45.65
  Component Side w0.2: 49.85,43.825 49.85,42.806 49.941,42.716 49.941,42.268 49.3,41.627 49.3,34.15 59.85,23.6 59.85,17.53 DSP1.7@63.5,13.88
OLED_DC: DSP1.6 U13.B3 | length 38.9
  Component Side w0.125: U13.B3@50.25,44.85 50.65,44.45 50.65,43.844
  Component Side w0.2: 50.65,43.844 50.65,35.25 60.825,25.075 64.275,25.075 64.8,24.55 64.8,20.925 64.125,20.25 62.825,20.25 62.175,19.6 62.175,17.75 63.5,16.425 DSP1.6@63.5,16.42
OLED_DIN: DSP1.4 U13.E3 | length 47.4
  Component Side w0.2: v3@49.775,37.795 49.775,34.45 62.562,21.663 63.337,21.663 DSP1.4@63.5,21.5 ; U13.E3@50.25,47.25 v3(50.625,47.625)
  Layer 2 w0.2: v3(49.784,37.795) 50.557,37.023 56.227,37.023 v3(57,36.25) ; v3(50.625,47.625) 51.533,46.717 v3(55.883,46.717)
  Bottom Layer w0.2: v3(55.883,46.717) 57,45.6 v3(57,36.25)
OLED_RES: DSP1.5 U13.A2 | length 33.8
  Component Side w0.2: U13.A2@51.05,44.05 51.05,35.61 61.11,25.55 64.55,25.55 65.3,24.8 65.3,20.76 DSP1.5@63.5,18.96
OLEDV: DSP1.8 U13.C6 | length 41.2
  Component Side w0.125: U13.C6@47.85,45.65 48.241,45.259 48.241,43.867 48.234,43.86
  Component Side w0.2: 48.234,43.86 48.234,43.439 47.775,42.98 47.775,34.9 59.2,23.475 59.2,15.64 DSP1.8@63.5,11.34
OUT1: Q15.1 U13.F10 | length 61.8
  Component Side w0.2: v3(42.425,47.925) 43.027,47.925 43.375,48.273 43.859,48.273 44.083,48.05 U13.F10@44.65,48.05 ; v3(61.112,40.234) 61.417,40.234 65.583,36.068 79.358,36.068 81.75,38.46 81.75,45.475 82.2,45.925 83.98,45.925 84.5,45.405 Q15.1@84.5,45.325
  Layer 2 w0.2: v3(42.775,41.25) 43.791,40.234 v3(61.112,40.234)
  Bottom Layer w0.2: v3(42.425,47.925) 42.425,46.881 43.002,46.304 43.002,41.477 v3(42.775,41.25)
OUT2: Q14.1 U13.E10 | length 62.3
  Component Side w0.2: v3(39.813,47.555) 39.842,47.584 40.018,47.584 40.064,47.63 41.245,47.63 41.727,47.148 43.952,47.148 44.053,47.25 U13.E10@44.65,47.25 ; v3(60.769,39.807) 61.129,39.448 61.568,39.448 65.43,35.585 79.629,35.585 81.794,37.75 83.73,37.75 84.5,36.98 Q14.1@84.5,36.9
  Layer 2 w0.2: v3(39.175,39.475) 44.479,39.475 44.811,39.807 v3(60.769,39.807)
  Bottom Layer w0.2: v3(39.175,39.475) 39.146,39.504 39.146,39.726 39.1,39.772 39.1,42.71 38.786,43.024 38.786,46.101 39.457,46.772 39.457,47.199 v3(39.813,47.555)